# Allegro board balenaFin-PCB.brd (continued)
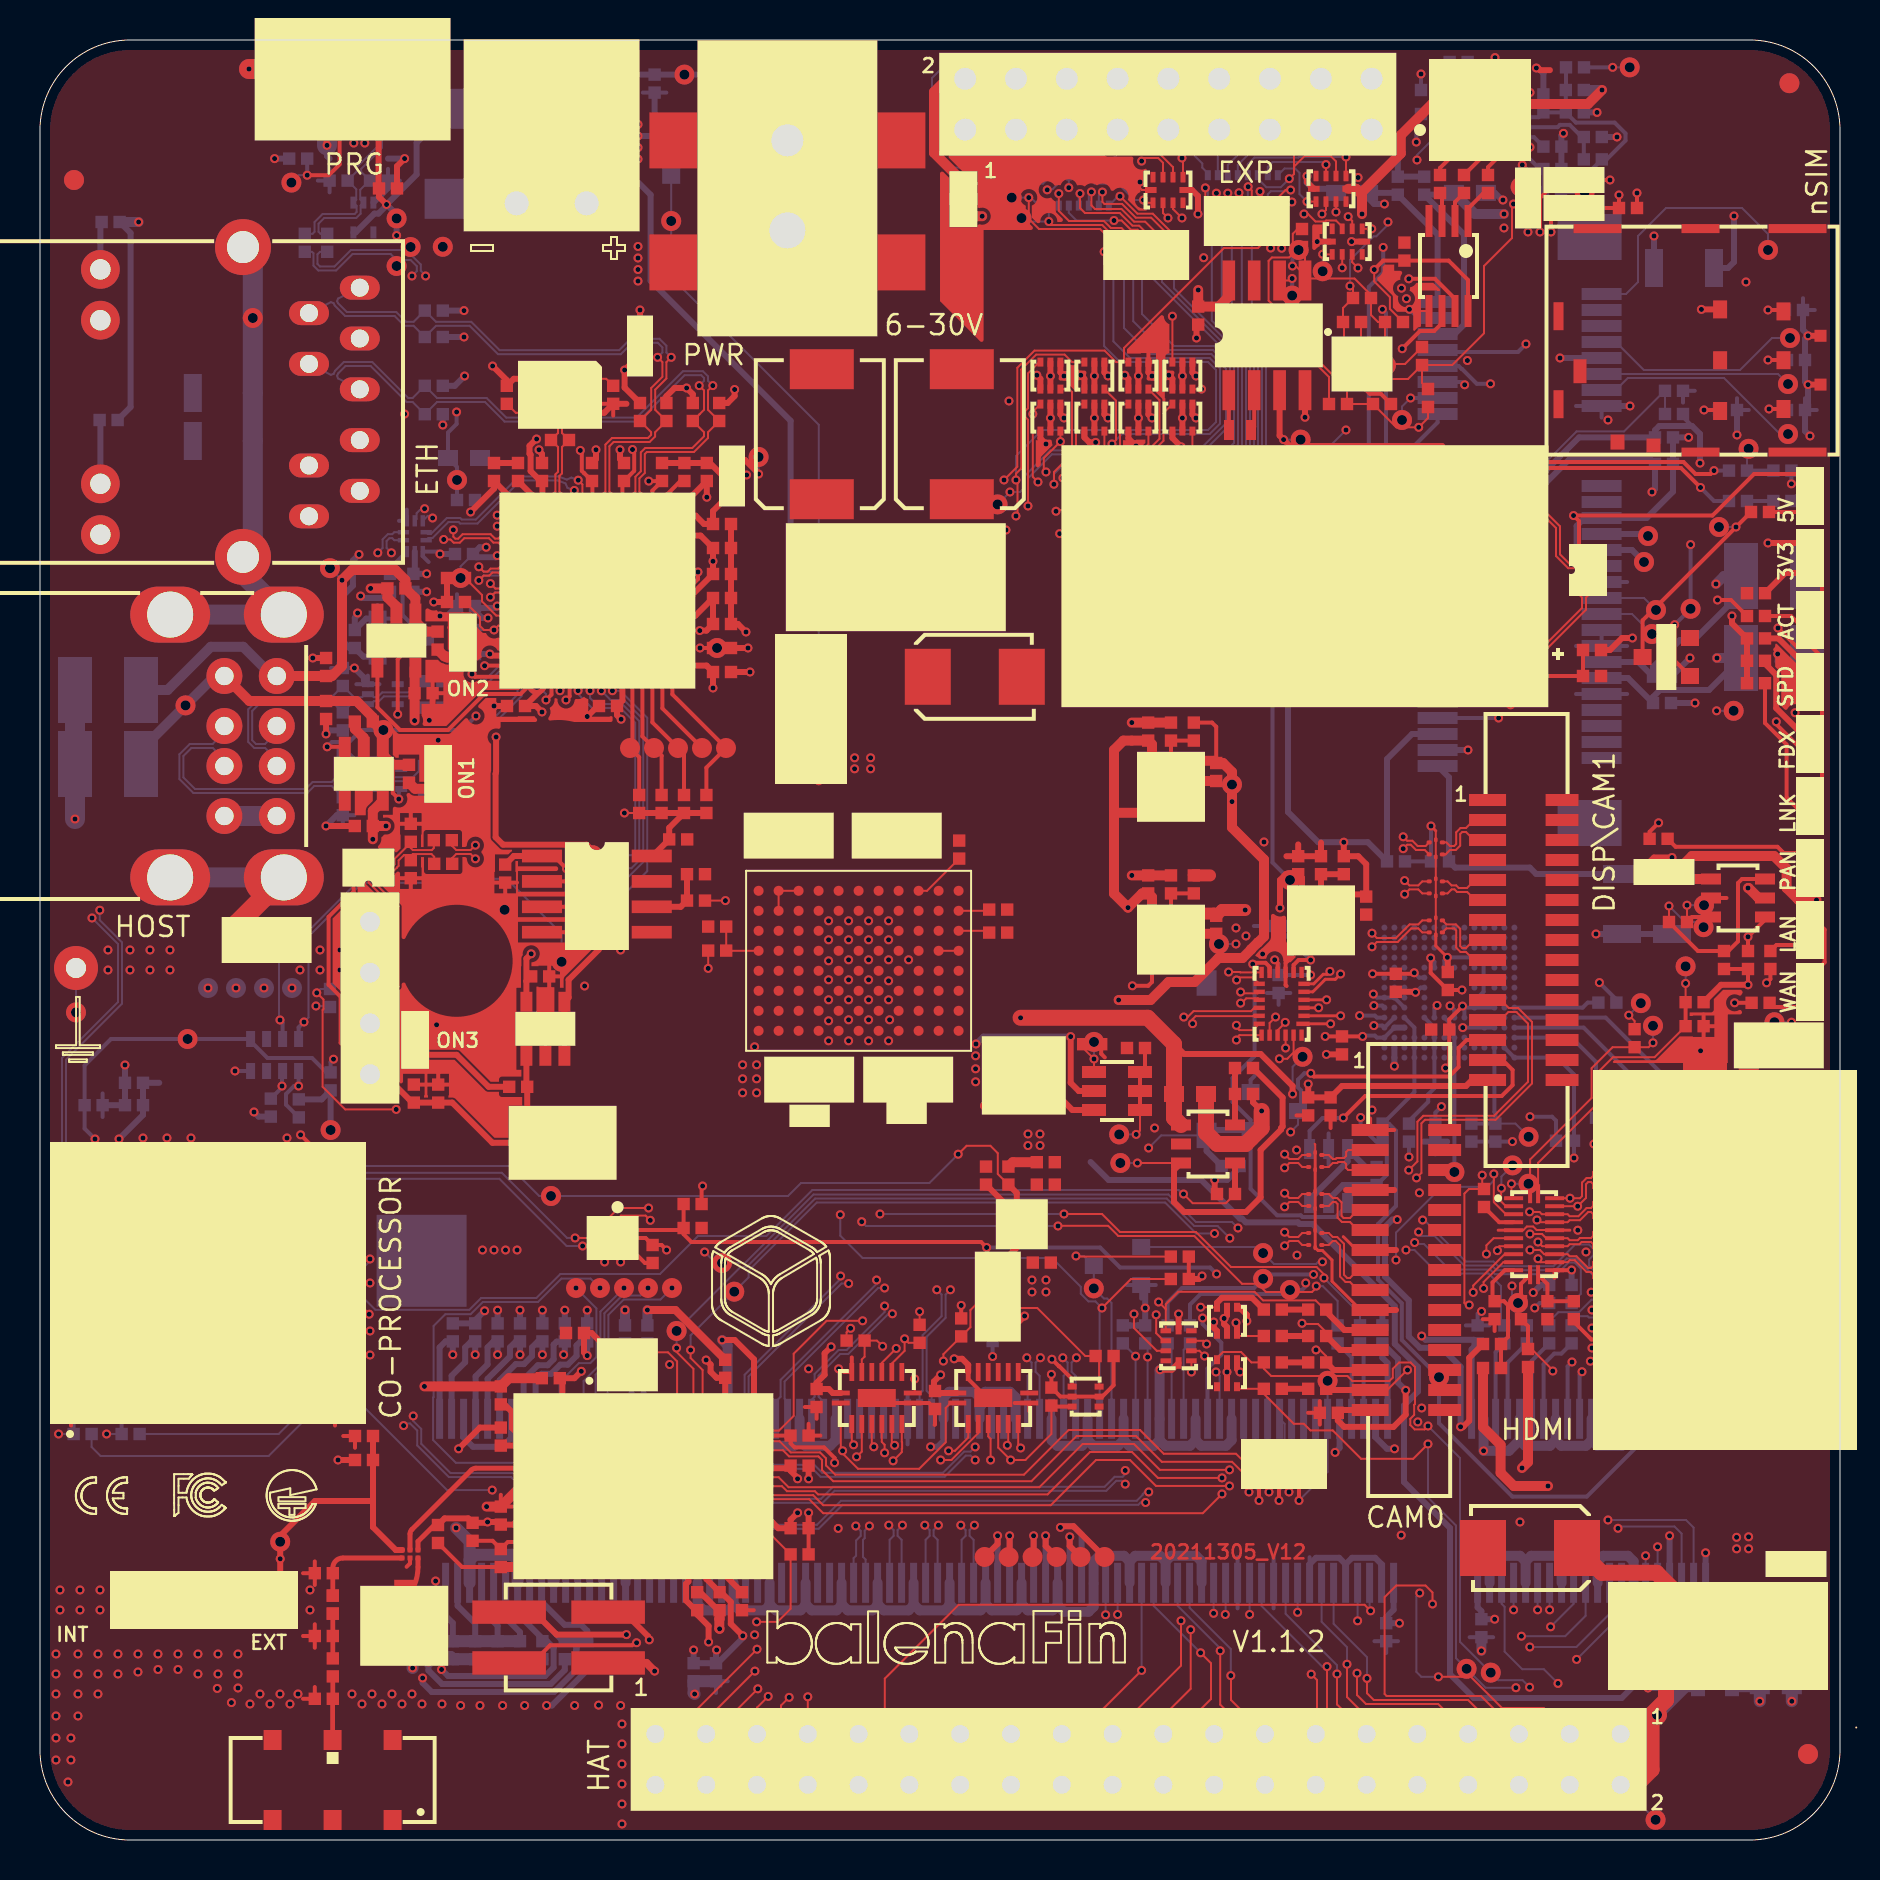
[diagram p0: board, top side]
## Routing (per net, layer and track width the routed paths; a pad name or vN(x,y) marks a point on that pad's centre or on a via; arc(x,y) is an arc through that point) (continued)
+5V: length 135.3
  TOP w0.1: R253.2 v1(33.41,43.58)
  TOP w0.2: TVS17.5 76.95,65.95 v1(76.68,66.22) 83.62,66.22 85.7,68.3 88.15,68.3 LD4.2
  TOP w0.3: v1(51.53,40.17) 51.53,37.86 51.94,37.45 Q15.5 ; v1(61.08,36.45) 60.65,36.88 R272.2
  TOP w0.5: R244.1 72.15,20.64 73.03,19.76 73.03,18.36 73.69,17.7 v1(75.4,17.7) ; v1(57.91,77.5) C188.1 58.94,76.67 59.44,77.17 U23.8 ; LD8.4 LD8.5 LD8.6 70.88,88.2 v1(70.4,88.2)
  TOP w0.8: R268.1 58.3,35.37 58.87,34.8 Q17.2 60.28,34.8 61.08,35.6 v1(61.08,36.45)
  INT1 w0.2: v1(58.2,65.2) 75.65,65.2 v1(76.68,66.22)
  INT2 w0.5: v1(58.2,65.2) v1(58.2,58.4)
  POWER w0.1: v1(33.41,43.58) 33.41,51.89 35.63,54.11 v1(40.73,54.11)
  POWER w0.5: v1(70.4,88.2) 68.1,85.9 68.1,79.1 66.13,77.12 65.26,77.12 64.89,77.5 v1(57.91,77.5) 58.8,76.61 58.8,65.8 v1(58.2,65.2)
  POWER w0.8: v1(61.08,36.45) 61.08,37.08 63.06,39.05 63.06,41.67 62.53,42.2 62.53,44.44 61.16,45.82 61.16,47.14 61.12,47.17
  BOTTOM w0.1: v1(58.2,58.4) v2(59.05,58.4)
  BOTTOM w0.3: v1(51.53,40.17) 47.17,40.17 v1(46.8,39.8)
  vias: v1(40.73,53.56) v1(41.53,54.11) v1(41.53,53.56) v1(46.78,39.21) v1(46.78,38.56) v1(46.78,37.91) v1(84.83,15.14) v1(84.83,14.56) v1(85.43,15.16) v1(85.43,14.56)
+5V_DEV: length 109
  TOP w0.3: C235.1 24.32,42.94 ; 24.32,42.94 U28.5 ; 24.32,42.94 24.32,44.07 v1(24.56,44.31) ; R243.1 71.46,24.11 71.46,20.96 71.16,20.66 v1(71.03,20.66) ; v1(62.63,37.3) 62.63,37.7 61.03,39.3 57.2,39.3 56.7,39.8
  TOP w0.5: U10.5 16.64,51.46 C63.1 ; C63.1 v1(17.3,50.7) ; C63.1 v1(16.64,50.04) ; v1(18.73,55.97) C75.1 18.73,58.58 U12.5
  TOP w0.8: v1(49.03,41.11) 55.39,41.11 56.7,39.8 R268.2 56.7,36.1 Q17.4
  INT1 w0.3: v1(62.63,37.3) 62.63,37.1 64.1,35.63 67.16,35.63 67.86,34.93 v1(67.86,31.02)
  INT2 w0.8: v1(16.64,50.04) v1(17.3,50.7) 17.62,50.7 18.73,51.81 v1(18.73,55.97)
  POWER w0.8: v1(17.3,50.7) v1(16.64,50.04) 16.64,50 18.53,48.11 22.48,48.11 24.56,46.03 v1(24.56,44.31) 24.56,42.28 31.73,35.11 35.93,35.11 37.48,36.66 41.63,36.66 46.03,41.06 48.98,41.06 v1(49.03,41.11)
  BOTTOM w0.1: v1(62.63,37.3) 62.63,38.66 v2(63.13,39.16)
  BOTTOM w0.3: v1(67.86,31.02) 67.61,31.02 67.25,30.65 67.25,28.17 68.44,26.98 68.44,25.17 69,24.61 70.08,24.61 71.03,23.66 v1(71.03,20.66)
+5V_INT: length 3.5
  TOP w0.3: Q15.6 51.62,36.5 Q14.5
  vias: v1(49.5,39.66)
+5V_USB_DBG: length 46.7
  TOP w0.3: v1(17.33,81.78) 16.95,82.15 C88.1 16.93,82.6 J13.1
  INT2 w0.3: v1(18.23,71.3) 17.83,71.7 v1(17.83,80.22)
  POWER w0.3: v1(15.95,64.28) 16.71,65.03 17.96,65.03 18.53,65.6 18.53,71 v1(18.23,71.3)
  BOTTOM w0.3: v1(15.95,64.28) 15.65,63.97 15.65,62.72 15.18,62.25 15.18,59.9 15.48,59.6 R116.2 16.17,59.17 Q6.1 ; 17.33,81.78 v1(17.33,81.78) 17.33,81.72 16.92,81.32 16.72,81.32 15.78,80.38 TVS5.5 ; 17.33,81.78 18.83,83.28 18.83,84.86 DS33.2 27.74,86.56 R237.2 ; 17.33,81.78 17.83,81.27 v2(17.83,81.08) v1(17.83,80.22)
GND_DIGITAL: length 618.3
  TOP w0.1: U30.5 68.55,76.45 v1(68.47,76.53) ; L4.5 L4.6 L3.5 L3.6 L2.5 L2.6 69.79,50.46 ; v1(55,82.9) 55,82.6 55.1,82.5 TVS6.5 ; L11.6 63.76,34.78 63.73,34.81 ; U1.5 74.16,30.49 74.34,30.68 74.66,30.68 74.83,30.5 75.72,30.5 U1.18 ; MOD1.E9 31.97,14.54 31.97,16.59 MOD1.E6
  TOP w0.15: L4.5 69.79,44.71 v1(70.37,44.13) ; U1.18 76.49,30.49 ; L13.5 63.91,29.48 64.12,29.48 64.6,29 64.6,27.94 66.03,26.5 J10.10 ; 63.76,34.38 L11.5 L12.6 L12.5 L13.6 63.76,29.62 ; v1(69.55,50.7) 69.79,50.46 ; J10.7 65.83,29.5 65.16,30.16 ; U1.5 72.91,30.49
  TOP w0.2: 17.95,48.09 C237.2 ; C237.2 19.13,48.09 ; C237.2 18.54,47.5 ; C201.2 13.74,10.79 ; C201.2 13.74,9.61 ; C201.2 13.15,10.2 ; 13.15,13.34 L10.1 ; L10.1 13.74,13.93 ; L10.1 13.74,12.75 ; 0.87,22.2 MOD2.1 ; MOD2.1 1.55,23.68 ; MOD2.1 1.55,20.72 ; 72.73,25.45 C9.2 72.14,26.04 ; 38.43,20.81 C195.1 39.02,20.22 ; 17.95,50.81 C238.2 ; C238.2 19.13,50.81 ; C238.2 18.54,51.4 ; 19.91,53.38 LD15.1 ; LD15.1 19.23,54.06 ; LD15.1 20.59,54.06 ; R218.1 C189.1 ; U33.15 46.41,23.05 47.36,22.1 U33.17 ; U28.2 25.27,39.99 ; 15.16,20.2 R275.1 15.75,19.61 ; 40.59,24.13 U32.15 40.19,23.4 ; 75.73,28.11 U1.13 76.48,28.49 ; R170.1 23.85,47.87 ; R170.1 23.26,47.28 ; R170.1 22.67,47.87 ; C239.2 C236.2 ; C236.2 20.5,37.77 ; C236.2 19.91,38.36 ; 53.24,39.13 53.06,39.31 R260.1 ; 18.76,40.08 LD18.1 ; LD18.1 v1(19.83,40.76) ; LD18.1 18.08,40.76 ; LD18.1 18.76,41.44 ; 21.14,59.94 LD16.1 ; LD16.1 21.14,61.3 ; LD16.1 20.46,60.62 ; 25.46,42.59 C235.2 ; C235.2 25.46,43.77 ; C235.2 26.05,43.18 ; 48.73,21.85 U33.8 49.46,21.45 ; 23.63,16.67 C191.1 23.04,17.26 ; 62.33,42.7 62.28,42.75 U31.9 62.28,43.85 62.43,44 ; C61.2 63.99,21.95 ; C61.2 63.4,21.36 ; C61.2 63.99,20.77 ; 44.73,20.76 44.75,20.78 C245.2 44.45,21.85 U32.8 42.19,21.85 41.94,22.1 U32.17 ; 38.24,21.65 C244.2 38.83,21.06 ; v1(50.59,24.04) 50.95,23.69 50.96,23.69 51.61,23.05 DS1.4 ; 20.22,57.34 C75.2 19.63,57.93 ; 62.82,36.23 C12.2 ; 55.42,74.4 55.42,73.9 55.85,73.9 ; MOD1.H9 28.91,14.09 29.72,14.9 MOD1.G8 ; C199.1 35.69,11.49 ; 14.75,20.72 MOD2.12 ; C11.2 64.53,35.6 ; C210.1 21.1,13.65 R221.1 ; C3.2 83.77,40.69 ; C3.2 83.18,41.28 ; C3.2 83.18,40.1 ; U29.8 30.25,28.85 C241.2 ; U26.2 18.5,13.83 18.33,13.66 ; 13.15,7.06 C60.2 13.74,7.65 ; 63.23,19.09 v1(63.23,18.96) ; 66.51,36.08 J10.1 67.71,35.5 ; TVS19.3 17.17,49.6 ; Q16.5 84.33,47.1 ; 28.07,71.81 C147.2 28.66,71.22
  TOP w0.3: 51.02,71.8 51.02,71.28 v1(51.2,71.1) ; Y2.4 28.21,71.36 C147.2 29.32,71.81 ; v1(35.33,68.25) 34.1,68.25 33.5,68.85 C172.1 R202.2 C173.1 ; J10.10 67.8,26.5 ; C192.1 v1(38.43,18.06) ; J1.5 81.2,31.5 ; C112.1 68.75,42.41 v1(68.78,42.39) ; v1(55.6,73.2) 55.42,73.38 55.42,73.9 ; v1(56.44,73.24) 56.62,73.06 DS25.1 ; MOD1.H9 29.42,13.49 30.92,13.49 MOD1.E9 ; v1(22.63,73.7) 23.34,72.99 C148.2 23.69,73.06 Y2.2 ; C75.2 19.63,56.15 v1(19.46,55.98) ; 57.62,73.9 57.62,73.38 v1(57.8,73.2) ; v1(70.37,44.13) 70.39,44.11 C110.1 ; v1(57.83,75.1) 57.83,75.69 C188.2 ; RR15.11 62.95,19.24 v1(63.23,18.96) ; v1(57.8,71.1) 57.62,71.28 57.62,71.8 ; v1(53.4,71.1) 53.22,71.28 53.22,71.8 ; J10.7 67.8,29.5 ; DS8.1 54.42,70.08 v1(54.8,69.7) ; MOD1.G8 MOD1.F8 ; 75.5,88.5 75,88.5 74.9,88.6 v1(74.82,88.6) ; C109.1 v1(64.32,39.28) ; v1(33,17.2) 33.49,17.69 MOD1.B5 ; v1(54.24,73.24) 54.42,73.06 DS26.4 ; MOD1.F1 30.62,21.92 ; J1.11 81.2,28.5 ; v1(29,69.51) 29,69.05 C174.1 ; DS5.4 59.85,23.55 v1(60,23.4) ; C194.1 33.91,11.49 33.01,12.39 C190.1 ; C43.2 62.91,49.78 ; C43.2 R52.1 64.05,49.87 ; C43.2 62.32,49.19 ; C88.2 17.85,83.69 v1(18.23,84.07) ; v1(58.68,25.9) 58.68,25.62 58.85,25.45 DS4.4 ; v1(14.35,84.73) 14.35,84.81 14.33,84.83 J13.5 ; v1(49.84,73.24) 50.02,73.06 DS28.4 ; 27.43,56.18 v1(27.36,56.18) 27.89,56.7 C180.2 ; v1(51.2,73.2) 51.02,73.38 51.02,73.9 ; v1(56,23.51) 56.59,23.51 TVS2.5 ; v1(45.71,24.06) 46.11,24.06 46.41,23.76 U33.15 ; v1(52.78,69.88) 52.47,69.88 52.22,70.13 DS9.1 ; LD15.1 v1(19.91,54.99) ; J22.5 v1(83.07,76.53) ; C176.1 R201.2 ; C186.2 C177.2 C178.2 C184.2 C182.2 34.9,60.8 v1(35.3,60.4) ; C179.2 v1(35.5,58.4) ; DS7.1 56.62,70.1 v1(57.06,69.66) ; DS4.1 59.97,26.64 60.34,26.26 v1(60.34,25.95) ; C185.1 25.1,69.3 24.95,69.45 v1(24.95,69.51) ; C79.2 v1(13.64,59.1) ; C189.1 v1(38.43,16.36) ; v1(63.35,83.19) 63.35,82.9 TVS18.5 ; LD16.1 20.56,61.2 v1(20,61.2) ; v1(50.3,69.8) 50.02,70.08 DS10.1 ; J1.8 81.2,30 ; 55.42,71.8 55.42,71.28 v1(55.6,71.1) ; v1(52.04,73.24) 52.22,73.06 DS27.4 ; v1(27.8,69.51) 27.8,69.05 C175.1 ; 65.3,32.5 J10.4 67.71,32.5 ; TVS7.5 v1(63.86,79.92) ; 53.22,73.9 53.22,73.38 v1(53.4,73.2) ; J22.18 v1(88.4,75.21) ; C70.2 v1(14.3,55.3) ; U22.34 31.83,59.22 31.5,59.55 30.79,59.55 v1(29.92,60.42) v1(28.55,61.79) U22.65 v1(28.55,63.15) 29.4,64 31.48,64 31.7,64.22 U22.44 ; v1(34.11,25) 34.73,25 35.7,24.03 35.7,21.52 MOD1.A1 ; J1.17 81.14,25.5 ; U23.4 v1(63.25,71.14) ; J1.2 81.2,33 ; C63.2 v1(14.3,50.7) ; J22.19 v1(88.4,72.77) ; C181.2 v1(22.7,56.7)
  TOP w0.4: v1(30.37,26.5) 31.77,26.5 C193.1
  TOP w0.5: v1(16.53,62.58) C76.2 17.37,62.13 17.82,61.68 U12.2 ; U5.2 U5.7 56.84,45.31 C39.2 ; C64.2 15.74,55.56 16.19,55.11 U10.2 16.19,54.09 v1(15.9,53.8) ; R37.1 C28.2 v1(54.59,55.87) ; v1(19.22,22.68) R222.1 23.45,23.09 C196.1 ; J9.3 v1(18.1,10.46) J9.2 ; R221.1 24.38,13.65 24.87,14.14 ; v1(24.4,19.5) 25.21,19.5 MOD1.M3 MOD1.M4 MOD1.M5 MOD1.N5 24.06,17.69 C191.1 v1(22.33,16.67) ; U2.2 U2.7 56.84,52.95 C27.2 ; v1(54.59,48.23) C40.2 R46.1 ; v1(33.98,10.56) 33.97,10.57 33.97,11.05 33.98,11.06 C194.1
  TOP w1: BAT1.2 v1(52.67,61.09)
  GND w0.1: v1(38.43,16.36) 38.38,16.36 38.32,16.3
  INT1 w0.1: 73.8,32.19 72.01,32.19
  INT2 w0.1: 67.9,76.69 67.7,76.88
  BOTTOM w0.1: TP21.1 v2(1.8,41.38)
  BOTTOM w0.2: J19.18 v1(68.48,67.3) ; J19.18 69.88,67.88 ; J19.18 71.16,67.3 ; 72.66,10.14 C4.1 71.48,10.14 ; 79.36,57.3 J19.43 76.8,57.3 ; C243.2 62.52,42.35 ; C243.2 61.34,42.35 ; C243.2 61.93,41.76 ; v1(77.97,42.87) 78.82,42.02 R139.1 ; 64.43,35.33 Q20.5 64.43,33.77 ; 20.85,62.29 C171.1 20.26,61.7 ; J19.37 79.36,59.7 ; J19.37 76.8,59.7 ; J19.37 J19.35 ; 71.29,25.73 C5.2 ; C5.2 71.88,26.32 ; C5.2 72.47,25.73 ; 3.13,36.15 C91.2 3.13,37.33 ; 20.26,59.3 C183.1 20.85,58.71 ; 13.89,82.97 C86.2 ; C86.2 14.48,82.38 ; C86.2 14.48,83.56 ; C123.2 C124.2 v1(69.55,50.7) ; Q6.2 16.88,61.75 ; Q6.2 16.88,60.39 ; Q6.2 17.61,61.07 ; 61.68,14.14 J2.61 61.68,11.58 ; 14.55,58.6 C78.2 ; C78.2 15.14,59.19 ; C78.2 v1(15.72,58.6) ; 43.38,22.34 J2.122 43.38,19.78 ; v1(66.69,40.72) 67.12,40.72 U17.P4 U17.N5 ; 85.44,71.5 C156.2 84.85,72.09 ; R309.1 61.28,46.29 ; R309.1 61.28,45.11 ; R309.1 60.69,45.7 ; U17.P6 67.12,41.72 v1(66.69,41.72) ; v1(30.7,16.2) 30.93,16.2 31.53,15.6 31.53,15.26 31.08,14.81 J2.163 ; U17.K8 69.03,42.62 68.8,42.39 v1(68.78,42.39) ; J19.26 v1(68.47,64.1) ; 59.88,14.14 J2.67 59.88,11.58 ; 88.25,72.09 C155.2 88.84,71.5 ; v1(70.5,41.71) 70.72,41.49 U17.G5 ; 19.43,63.9 19.14,64.19 U13.8 19.88,64.42 v1(20,64.3) ; v1(73.62,34.92) C107.1 C108.1 ; J19.40 v1(68.47,58.5) ; 15.73,51.24 C68.2 15.14,50.65 ; 55.06,27.07 Q1.2 ; Q1.2 54.33,27.75 ; Q1.2 55.79,27.75 ; TVS4.3 16.39,58.22 ; TVS4.3 16.97,57.79 ; TVS4.3 15.82,57.79 ; 30.83,85.11 Q3.2 ; Q3.2 31.56,85.79 ; Q3.2 32.29,85.11 ; Q3.2 31.56,84.43 ; 81.16,25.73 C2.2 81.75,26.32 ; 79.36,62.9 J19.29 76.8,62.9 ; 17.4,83.56 C87.2 17.99,82.97 ; U17.C4 U17.D4 v1(71.14,40.62) ; 16.57,53.98 TVS3.3 17.15,53.55 ; 82.74,72.46 R247.1 82.15,71.87 ; 17.95,65.96 U13.3 18.34,66.52 ; 63.48,14.14 63.48,13.79 ; 76.8,71.7 J19.15 78.08,71.12 ; C6.1 67.9,9.94 ; C6.1 67.31,9.35 ; C6.1 66.72,9.94 ; v1(68.47,60.9) J19.34 ; 30.14,87.37 R32.1 31.32,87.37 ; U17.H10 70.22,43.98 v1(70.37,44.13) 71.91,44.13 72.18,43.86 72.18,42.41 71.89,42.12 U17.E7 ; 88.15,77.09 C153.2 88.74,76.5 ; J19.4 68.9,76.1 v1(68.47,76.53) ; 34.39,7.94 C198.1 33.8,7.35 ; 61.38,22.06 J2.62 61.38,19.32 61.81,18.89 v1(61.81,18.84) ; 60.73,38.2 60.53,38 Q21.2
  BOTTOM w0.3: J2.116 45.18,19.96 44.88,19.66 v1(44.53,19.66) ; J2.50 64.98,19.61 v1(64.75,19.38) ; J2.8 81.18,23.41 ; J2.182 25.38,20.13 24.75,19.5 v1(24.4,19.5) 24.21,19.5 23.58,20.13 ; C85.2 v1(19.33,62.41) ; J2.49 65.28,13.79 ; 65.28,13.79 65.6,14.11 66.76,14.11 67.08,13.79 J2.43 ; 65.28,13.79 64.96,14.11 63.8,14.11 63.48,13.79 J2.55 ; v1(81.48,15.21) J2.7 ; Q1.2 55.26,27.55 v1(55.26,26.6) R18.1 54.9,25.73 54.9,25.73 54.5,25.73 54.5,25.73 R20.1 ; R132.2 10.93,36.17 v1(10.7,36.4) ; v1(88.5,70.2) 88.25,70.45 C155.2 88.4,71.65 v1(88.4,72.77) 88.25,72.92 C154.2 88.25,75.06 v1(88.4,75.21) 88.4,75.26 88.15,75.51 C153.2 ; C22.2 v1(22.88,26.49) ; R10.1 75.04,27.75 v1(74.66,27.37) ; v1(82.43,70.13) C119.2 C120.2 81.65,67.42 80.33,66.1 J19.21 77.23,66.1 76.83,65.7 76.83,64.1 77.23,63.7 J19.27 J19.29 ; J2.164 30.78,19.28 v1(30.7,19.2) ; v1(20,61.2) 20.35,61.2 C171.1 C187.1 C183.1 ; J19.15 v1(79.5,71.7) ; J2.56 63.18,19.01 v1(63.23,18.96) ; C68.2 14.84,51.24 v1(14.3,50.7) ; v1(4.25,38.75) C93.2 C92.2 C91.2 ; C7.2 67.12,26.46 ; v1(14.3,55.3) 14.48,55.48 C77.2 ; C117.2 C118.2 67.89,84.21 J14.17 ; v1(77.8,45.3) C208.2 C209.2 ; C204.2 75.17,88.33 74.9,88.6 v1(74.82,88.6) ; C156.2 v1(84.85,70.25) ; 31.47,85.2 30.73,85.94 R32.1 ; 31.47,85.2 Q3.2 ; 31.47,85.2 v1(29.9,85.2) ; J2.170 28.98,19.92 v1(29.7,19.2) ; C13.1 27.36,8.49 25.59,6.73 v1(25.33,6.73) ; C14.2 v1(27.36,26.49) ; TVS3.3 16.15,53.55 v1(15.9,53.8) 15.34,54.36 C69.2 ; v1(63.35,83.19) 63.33,83.17 63.33,82.87 63.64,82.56 64.6,82.56 C116.1 ; R140.1 70.36,34.92 ; R140.1 69.77,34.33 ; R140.1 69.18,34.92 ; C207.2 v1(80.7,80.2) ; v1(22.23,26.46) 21.76,25.99 C24.2 C26.2 ; J19.50 v1(71.4,54.5) ; v1(76.17,85.33) 76.07,85.23 R231.1 R232.1 ; v1(19.42,8.9) 19.42,8.48 20.1,7.8 25.54,7.8 26.24,8.5 C15.1 ; 87.4,57.7 87.4,58.4 86.88,58.92 v1(86.88,59.3) ; C138.2 20.74,72.71 v1(21.23,73.2) ; TVS4.3 16.2,57.99 16.2,58.12 v1(15.72,58.6) ; J2.44 66.78,20.13 67.35,19.56 v1(67.72,19.56) ; U25.17 72.41,85.64 U25.6 v1(70.46,85.64) ; v1(73.15,82) 73.1,82 72.75,82.35 C115.1 ; 23.58,20.13 23.11,19.66 21.65,19.66 21.18,20.13 J2.196 ; 23.58,20.13 J2.188 ; C16.2 v1(26.24,26.49) ; C18.2 v1(25.12,26.49) ; C139.2 v1(20.14,70.75) ; Q6.2 16.31,61.07 R116.1 15.74,61.11 15.88,61.25 v1(15.88,61.35) ; R229.1 v1(78.85,85.15) ; U17.N2 U17.N1 v1(67.72,38.69) ; C137.2 v1(21.2,75.15) ; C121.1 81.57,58.17 v1(82.5,59.1) ; C20.2 v1(24,26.49) ; C122.1 v1(82.75,56.85) ; R7.1 v1(76.58,28.5) ; J19.9 v1(76,74.1) ; R153.1 v1(11.73,84.07) ; C136.2 v1(21.2,76.47) ; J2.1 v1(83.28,14.36) ; v1(14.35,84.73) 14.35,84.2 14.48,84.07 ; C170.1 v1(20,64.3) ; 17.4,84.07 v1(18.23,84.07) ; C87.2 17.4,82.6 TVS5.3
  BOTTOM w0.5: J2.97 50.88,11.73 50.63,11.48 49.39,11.48 49.08,11.79 ; J2.140 37.98,19.99 ; 37.98,19.99 37.7,19.71 36.46,19.71 36.18,19.99 ; 37.98,19.99 38.26,19.71 39.5,19.71 39.78,19.99 J2.134 ; 47.28,11.79 47.59,11.48 48.83,11.48 49.08,11.73 49.08,11.79 ; 47.28,11.79 J2.109 ; 47.28,11.79 47.28,11.73 47.03,11.48 45.79,11.48 45.48,11.79 ; J2.85 54.48,13.93 ; 54.48,13.93 54.2,14.21 52.96,14.21 52.68,13.93 J2.91 ; 54.48,13.93 54.76,14.21 56,14.21 56.28,13.93 ; v1(56,23.51) 55.98,23.49 J2.80 55.98,19.99 ; J2.37 72.48,13.93 72.76,14.21 74,14.21 74.28,13.93 ; 45.48,11.79 45.48,11.73 45.23,11.48 43.99,11.48 43.68,11.79 ; 45.48,11.79 J2.115 ; 36.18,19.99 J2.146 ; 36.18,19.99 35.9,19.71 34.66,19.71 34.38,19.99 J2.152 34.38,24.73 v1(34.11,25) ; 77.58,19.99 77.3,19.71 76.06,19.71 75.78,19.99 ; 77.58,19.99 77.86,19.71 79.1,19.71 79.38,19.99 J2.14 ; 77.58,19.99 J2.20 ; 41.88,11.79 42.19,11.48 43.43,11.48 43.68,11.73 43.68,11.79 ; 41.88,11.79 41.88,11.73 41.63,11.48 40.39,11.48 40.08,11.79 ; 41.88,11.79 J2.127 ; J2.103 49.08,11.79 ; J2.26 75.78,19.99 ; 75.78,19.99 75.5,19.71 74.26,19.71 73.98,19.99 ; 77.88,13.93 77.6,14.21 76.36,14.21 76.08,13.93 ; 77.88,13.93 J2.19 ; 77.88,13.93 78.16,14.21 79.4,14.21 79.68,13.93 J2.13 ; 55.98,19.99 55.7,19.71 54.46,19.71 54.18,19.99 ; 55.98,19.99 56.26,19.71 57.5,19.71 57.78,19.99 ; 76.08,13.93 J2.25 ; 76.08,13.93 75.8,14.21 74.56,14.21 74.28,13.93 ; 38.28,11.79 38.28,11.73 38.03,11.48 36.79,11.48 36.48,11.79 ; 38.28,11.79 J2.139 ; 38.28,11.79 38.59,11.48 39.83,11.48 40.08,11.73 40.08,11.79 ; J2.31 74.28,13.93 ; 73.98,19.99 J2.32 ; 73.98,19.99 73.45,19.46 v1(72.18,19.46) J2.38 ; 50.88,11.72 51.19,11.41 52.43,11.41 52.68,11.66 52.68,12.79 ; 57.78,19.99 J2.74 ; 57.78,19.99 58.06,19.71 59.3,19.71 59.58,19.99 J2.68 ; 40.08,11.79 J2.133 ; J2.98 50.58,19.99 50.86,19.71 52.1,19.71 52.38,19.99 ; 46.98,21.66 47.05,21.73 47.05,22.21 47.26,22.41 48.5,22.41 48.78,22.13 J2.104 ; 46.98,21.66 J2.110 ; 46.98,21.66 46.98,22.13 46.7,22.41 45.46,22.41 45.18,22.13 J2.116 ; 56.28,13.93 J2.79 ; 56.28,13.93 56.56,14.21 57.8,14.21 58.08,13.93 J2.73 ; 36.48,11.79 36.48,11.73 36.23,11.48 34.99,11.48 34.68,11.79 ; 36.48,11.79 J2.145 ; 34.68,11.79 J2.151 ; 34.68,11.79 34.68,11.73 34.43,11.48 33.19,11.48 32.88,11.79 J2.157 ; 43.68,11.79 J2.121 ; C2.2 C1.2 v1(83.83,25.73) ; 54.18,19.99 J2.86 ; 54.18,19.99 53.9,19.71 52.66,19.71 52.38,19.99 ; R29.2 v1(29.25,26.5) ; 52.38,19.99 J2.92 ; v1(29.7,16.2) 29.7,15.34 29.28,14.92 J2.169 ; R28.2 v1(30.37,26.5) ; C4.1 v1(72.07,9.46)
  BOTTOM w0.6: v1(87.59,6.94) C113.2 ; v1(20.8,15.61) 21.48,14.93 21.48,14 ; J2.187 23.88,14 ; 23.88,14 24.14,14.26 25.42,14.26 25.68,14 J2.181 ; 23.88,14 23.62,14.26 21.74,14.26 21.48,14 ; C17.1 C19.1 C21.1 C23.1 C25.1 20.53,9.15 19.67,9.15 v1(19.42,8.9) ; v1(32.73,7.3) 32.68,7.35 C197.1 C198.1 ; 21.48,14 J2.195
  BOTTOM w1: J11.8 J11.4 ; v1(1.75,51.05) C234.2 C232.2 ; C89.1 R117.1 v1(14.35,84.73)
  vias: v1(0.8,9.3) v1(0.8,8.3) v1(0.8,7.3) v1(0.8,6.2) v1(0.8,5.1) v1(0.8,4) v1(1,12.5) v1(1,11.5) v1(1.4,2.9) v1(1.55,5.1) v1(1.55,4) v1(1.9,9.3) v1(1.9,8.3) v1(1.9,7.3) v1(1.9,6.2) v1(2,12.5) v1(2,11.5) v1(2.9,9.3) v1(2.9,8.3) v1(2.9,7.3) v1(3,12.5) v1(3,11.5) v1(3.4,44.5) v1(3.4,43.5) v1(3.9,9.3) v1(3.9,8.3) v1(4.5,44.5) v1(4.5,43.5) v1(4.9,9.3) v1(4.9,8.4) v1(5.5,44.5) v1(5.5,43.5) v1(5.9,9.3) v1(5.9,8.53) v1(6,12.5) v1(6,11.5) v1(6.5,44.5) v1(6.5,43.5) v1(6.9,9.3) v1(6.9,8.53) v1(7,12.5) v1(7,11.5) v1(7.9,9.3) v1(7.9,8.3) v1(8,12.5) v1(8,11.5) v1(8.86,7.58) v1(8.9,9.3) v1(8.9,8.3) v1(9,12.5) v1(9,11.5) v1(9.57,6.87) v1(9.9,9.3) v1(9.9,8.3) v1(9.9,7.6) v1(10.5,12.5) v1(10.5,11.5) v1(10.5,6.8) v1(11,7.3) v1(11.5,6.8) v1(12,7.3) v1(12.5,6.8) v1(12.9,7.3) v1(13,43.5) v1(13.5,12.5) v1(13.5,11.5) v1(14,44.5) v1(14,43.5) v1(15,44.5) v1(15,43.5) v1(15.6,7.3) v1(16.1,6.8) v1(16.6,7.3) v1(17.1,6.8) v1(17.6,7.3) v1(18.1,6.8) v1(18.6,7.3) v1(19.1,6.8) v1(20.1,6.8) v1(21.03,6.73) v1(22,6.73) v1(23.13,6.73) v1(24.23,6.73) v1(24.45,65.89) v1(24.45,64.52) v1(24.45,63.15) v1(24.45,61.79) v1(24.45,60.42) v1(24.45,59.05) v1(25.82,65.89) v1(25.82,64.52) v1(25.82,63.15) v1(25.82,61.79) v1(25.82,60.42) v1(25.82,59.05) v1(26.73,6.73) v1(27.19,65.89) v1(27.19,64.52) v1(27.19,63.15) v1(27.19,61.79) v1(27.19,60.42) v1(27.19,59.05) v1(27.23,42.7) v1(27.3,19.2) v1(27.3,18.2) v1(27.3,17.2) v1(27.3,16.2) v1(27.93,6.74) v1(28.55,65.89) v1(28.55,64.52) v1(28.55,60.42) v1(28.55,59.05) v1(29.03,44.5) v1(29.03,6.73) v1(29.1,5.8) v1(29.1,4.8) v1(29.1,3.8) v1(29.1,2.8) v1(29.1,1.8) v1(29.1,0.8) v1(29.7,18.2) v1(29.7,17.2) v1(29.9,85.78) v1(29.9,84.62) v1(29.9,84.05) v1(29.9,79.68) v1(29.9,79.1) v1(29.9,78.52) v1(29.9,77.95) v1(29.92,65.89) v1(29.92,64.52) v1(29.92,63.15) v1(29.92,61.79) v1(29.92,59.05) v1(30.7,18.2) v1(30.7,17.2) v1(31.29,65.89) v1(31.29,64.52) v1(31.29,63.15) v1(31.29,61.79) v1(31.29,60.42) v1(31.29,59.05) v1(31.48,23.78) v1(33,19.2) v1(33,18.2) v1(33,16.2) v1(35.73,10.26) v1(38.43,23.56) v1(39.43,45.96) v1(39.43,45.01) v1(39.43,43.96) v1(39.43,43.01) v1(39.43,42.01) v1(39.43,40.96) v1(39.43,39.96) v1(39.93,23.56) v1(40.43,45.96) v1(40.43,45.01) v1(40.43,44.01) v1(40.43,43.01) v1(40.43,42.01) v1(40.43,41.01) v1(40.43,39.96) v1(41.43,45.96) v1(41.43,45.01) v1(41.43,44.01) v1(41.43,43.01) v1(41.43,42.01) v1(41.43,41.01) v1(41.43,39.96) v1(42.43,45.96) v1(42.43,45.01) v1(42.43,44.01) v1(42.43,42.96) v1(42.43,42.01) v1(42.48,41.01) v1(42.43,39.96) v1(43.43,44.01) v1(55.73,35.6) v1(61.13,44.3) v1(61.2,49.9) v1(62.83,34.5) v1(62.85,29.24) v1(66.6,36.5) v1(68.06,15.24) v1(68.97,32.36) v1(72.08,26.43) v1(73.2,80.6) v1(74,15.9) v1(76.89,30.49) v1(77.3,29.4) v1(78.4,71) v1(83.03,39.46) v1(85.3,77.9) v1(88.75,33.5) v1(88.75,23.95) v2(20.14,79.66)
GND_EARTH: length 48.2
  TOP w1: C134.2 9.83,45.77 J11.11
  GND w1: J11.12 J11.9
  BOTTOM w1: J11.12 J11.11 ; J11.9 J11.10 10.15,63.31 J20.15 10.64,64.65 C71.2 R96.2 v2(10.64,76.1) 10.64,79.16 J20.16
VDDM: length 7
  BOTTOM w0.1: C107.2 73.77,35.82 v2(74.43,35.16)
  BOTTOM w0.2: C108.2 C107.2 72.77,36.36 72.72,36.41 U17.C1 U17.C2
VIN_CON: length 2.6
  BOTTOM w0.1: J21.1 v2(27.33,84.4)
+VALIM: length 2
  TOP w0.1: U34.J1 U34.K1 U34.K2
ARTIK-RX_CM3-TX: length 20.4
  TOP w0.1: U29.5 v1(27.13,29.7) ; MOD2.23 v1(11.15,31.9)
  BOTTOM w0.1: v1(11.15,31.9) 11.15,32.29 11.92,33.06 22.97,33.06 26.33,29.7 v1(27.13,29.7)
ARTIK-TX_CM3-RX: length 21.5
  TOP w0.1: U29.4 27.13,30.1 27.13,30.1 v1(26.76,30.1) ; MOD2.24 v1(9.95,31.9)
  BOTTOM w0.1: v1(26.76,30.1) 26.35,30.1 23.09,33.36 11.41,33.36 v1(9.95,31.9)
BT_PCM_CLK: length 85.9
  TOP w0.1: MOD1.C1 33.13,21.48 33.13,23.5 32.53,24.1 v1(32.53,24.5) ; v1(48.37,19.74) 48.41,19.78 U33.6
  INT2 w0.1: v1(58.73,30.33) 58.73,30.53 61.3,33.1 67.68,33.1 68.5,32.28 68.5,30.11 v1(68.73,29.87)
  INT4 w0.1: v1(58.73,30.33) 61.23,27.82 61.23,23.8 60.45,23.03 53.81,23.03 52.33,24.5 49.2,24.5 48.37,23.67 v1(48.37,19.74)
  BOTTOM w0.1: v1(32.53,24.5) 32.53,25.23 v2(34.71,27.42) 35.43,28.13 35.43,28.46 38.84,31.88 56.25,31.88 57.8,30.33 v1(58.73,30.33) ; R7.2 77.04,27.31 77.04,28.57 76.74,28.88 76.42,28.88 75.84,28.29 72.74,28.29 72.51,28.52 70.47,28.52 69.2,29.8 68.81,29.8 v1(68.73,29.87)
BT_PCM_CLK_I2C_SDA: length 44.8
  TOP w0.1: v1(49.03,19.6) 48.91,19.72 U33.7
  INT4 w0.1: v1(49.03,19.6) 49.03,22.17 49.69,22.83 63.77,22.83 67.03,26.08 67.03,29.04 68.99,31 v1(69.13,31)
  BOTTOM w0.1: R8.2 76.58,25.95 76.83,26.19 77.38,26.19 77.44,26.12 77.76,26.12 78.14,26.5 78.14,28.04 77.46,28.72 77.46,29.02 77.67,29.24 77.67,29.56 77.46,29.77 76.76,29.77 75.67,28.69 72.91,28.69 72.67,28.93 71.29,28.93 69.21,31 v1(69.13,31)
BT_PCM_IN: length 56.9
  TOP w0.1: v1(31.83,24.6) 31.83,24.4 32.67,23.56 32.67,21.54 MOD1.D1
  INT2 w0.1: v1(59.49,30.09) 59.49,31.01 61.38,32.9 67.6,32.9 68.3,32.2 v1(68.3,29.5)
  BOTTOM w0.1: v1(59.49,30.09) 58.88,30.7 57.71,30.7 56.34,32.08 38.76,32.08 35.33,28.65 35.03,28.65 v2(31.83,25.45) v1(31.83,24.6) ; v1(68.3,29.5) 68.72,29.5 69.9,28.33 72.42,28.33 73.05,27.7 73.05,27.18 73.05,25.9 R12.2
BT_PCM_OUT: length 57.4
  TOP w0.1: MOD1.C2 33.32,20.02 v1(33.61,19.73)
  INT1 w0.1: v1(73.6,27.7) 73.6,26.83 68.7,21.93 68.7,21.09 v1(68.89,20.9)
  INT2 w0.1: v1(68.89,20.9) 68.89,20.79 68.7,20.6 68.7,17.55 64.85,13.7 52.53,13.7 52.05,13.22 41.73,13.22 39.3,15.66 39.3,18.1 36.5,20.9 34.72,20.9 33.61,19.79 v1(33.61,19.73)
  BOTTOM w0.1: R11.2 73.9,26.17 v2(73.9,26.85) 73.6,27.15 v1(73.6,27.7)
BT_PCM_SYNC: length 79.3
  TOP w0.1: v1(41.13,25.96) 39.33,25.96 37.68,24.31 37.68,21.21 36.95,20.47 34.78,20.47 34.41,20.84 32.87,20.84 MOD1.D2 ; U33.3 46.91,20.34 45.57,19 v1(45.03,19)
  INT1 w0.1: v1(69.08,21.6) 69.08,22.03 73.65,26.6 v1(74.74,26.6)
  INT2 w0.1: v1(69.08,21.6) 68.9,21.6 68.5,21.2 68.5,17.63 64.77,13.9 52.44,13.9 51.97,13.42 42.07,13.42 v1(39.91,15.58) 41.12,16.79 41.12,16.94 39.35,18.71 39.35,23.58 39.75,23.98 39.75,24.02 39.97,24.23 40,24.23 41.13,25.36 v1(41.13,25.96)
  INT4 w0.1: v1(39.91,15.58) 40.14,15.58 40.63,16.08 41.25,16.08 44.17,19 v1(45.03,19)
  BOTTOM w0.2: R10.2 74.99,26.85 v1(74.74,26.6)
BT_PCM_SYNC_I2C_SCL: length 44.5
  TOP w0.1: v1(47.53,19) 47.53,20.06 47.41,20.18 U33.4
  INT4 w0.1: v1(68.93,30.4) 68.67,30.4 67.23,28.96 67.23,26 63.86,22.62 53.2,22.62 49.2,18.62 47.91,18.62 v1(47.53,19)
  BOTTOM w0.1: v1(68.93,30.4) 68.93,30.3 69.03,30.2 69.73,30.2 71.2,28.73 72.59,28.73 72.83,28.49 75.76,28.49 76.34,29.08 76.82,29.08 77.94,27.96 77.94,27.23 77.72,27.02 77.58,27.02 76.95,26.39 75.92,26.39 75.46,25.93 R9.2
CAM0_CN: length 34.8
  TOP w0.1: U31.14 60.89,42.34 60.09,42.34 v1(60.03,42.4)
  INT1 w0.1: v1(41.83,28) 42.09,28.26 42.39,28.26 45.58,31.45 49.53,31.45 58.73,40.65 58.73,41.68 59.26,42.2 59.82,42.2 59.87,42.25 59.88,42.25 v1(60.03,42.4)
  BOTTOM w0.1: v1(41.83,28) 41.83,27.81 37.03,23.01 37.03,22.16 36.78,21.91 J2.144
CAM0_CP: length 34.5
  TOP w0.1: U31.15 60.89,42.09 60.31,42.09 60.07,41.84 v1(60.03,41.84)
  INT1 w0.1: v1(60.03,41.84) 59.87,42 59.34,42 58.93,41.59 58.93,40.57 49.61,31.25 45.66,31.25 42.49,28.08 42.49,27.86 v1(42.23,27.6)
  BOTTOM w0.1: v1(42.23,27.6) 41.91,27.6 37.23,22.93 37.23,22.06 37.38,21.91 J2.142
CAM0_DN0: length 35.5
  TOP w0.1: v1(59.43,43.4) 60,43.4 60.02,43.38 U31.12
  INT3 w0.1: v1(59.43,43.4) 59.23,43.2 59.23,43 58.83,42.6 57.38,42.6 52.37,37.6 49.65,37.6 48.33,36.28 48.33,34.35 43.08,29.1 43.08,27.25 42.55,26.72 42.25,26.72 v1(42.23,26.7)
  BOTTOM w0.1: v1(42.23,26.7) 42.23,26.4 40.33,24.5 39.93,24.5 38.73,23.3 38.73,22.16 38.58,22.01 J2.138
CAM0_DN1: length 35.9
  TOP w0.1: v1(57.19,41.15) 57.36,41.15 57.38,41.17 57.4,41.17 57.68,41.44 60.55,41.44 60.72,41.61 U31.16
  INT1 w0.1: v1(57.19,41.15) 57,40.89 57,40.64 48.71,32.35 44.38,32.35 40.5,28.47 40.3,28.47 v1(40.03,28.2)
  BOTTOM w0.1: J2.150 34.98,22.06 35.23,22.31 35.23,23.26 40.03,28.06 v1(40.03,28.2)
CAM0_DP0: length 35
  TOP w0.1: U31.13 60.64,43.13 59.96,43.13 v1(59.83,43)
  INT3 w0.1: v1(59.83,43) 59.73,42.9 59.41,42.9 58.92,42.4 57.46,42.4 52.46,37.4 49.73,37.4 48.53,36.2 48.53,34.27 43.28,29.02 43.28,27.17 42.62,26.51 v1(42.62,26.31)
  BOTTOM w0.1: J2.136 39.18,21.91 38.93,22.16 38.93,23.22 40.01,24.3 40.41,24.3 42.42,26.31 v1(42.62,26.31)
CAM0_DP1: length 35.5
  TOP w0.1: U31.17 60.92,41.25 60.71,41.25 60.66,41.19 57.78,41.19 57.63,41.04 v1(57.63,40.82)
  INT1 w0.1: v1(57.63,40.82) 57.4,40.51 57.19,40.48 57.12,40.48 48.79,32.15 44.46,32.15 40.69,28.38 40.69,28.09 v1(40.43,27.82)
  BOTTOM w0.1: v1(40.43,27.82) 40.08,27.82 35.43,23.18 35.43,22.23 35.43,22.21 35.58,22.06 J2.148
CAM0_SCL: length 19
  TOP w0.1: U33.2 46.41,20.12 45.75,19.46 v1(45.43,19.46) ; v1(45.17,23.95) 45.17,24.29 R24.2 46.52,25.64 46.52,26.5 47.13,27.11 48.42,27.11 48.93,26.6 49.86,26.6 52.26,24.2 R319.2 52.95,24.03 DS1.3